# Altium PCB Driver_S_Comm.PcbDoc (part 1 of 4)
Units mm, origin at the board's own origin, x right, y up, seen from the top; angles counter-clockwise.
Board outline 200.2 x 290.2 mm, 2 copper layers (Top Layer, Bottom Layer), stack 1.371 mm thick; 518 components, 197 nets, 1403 pads, 323 vias.
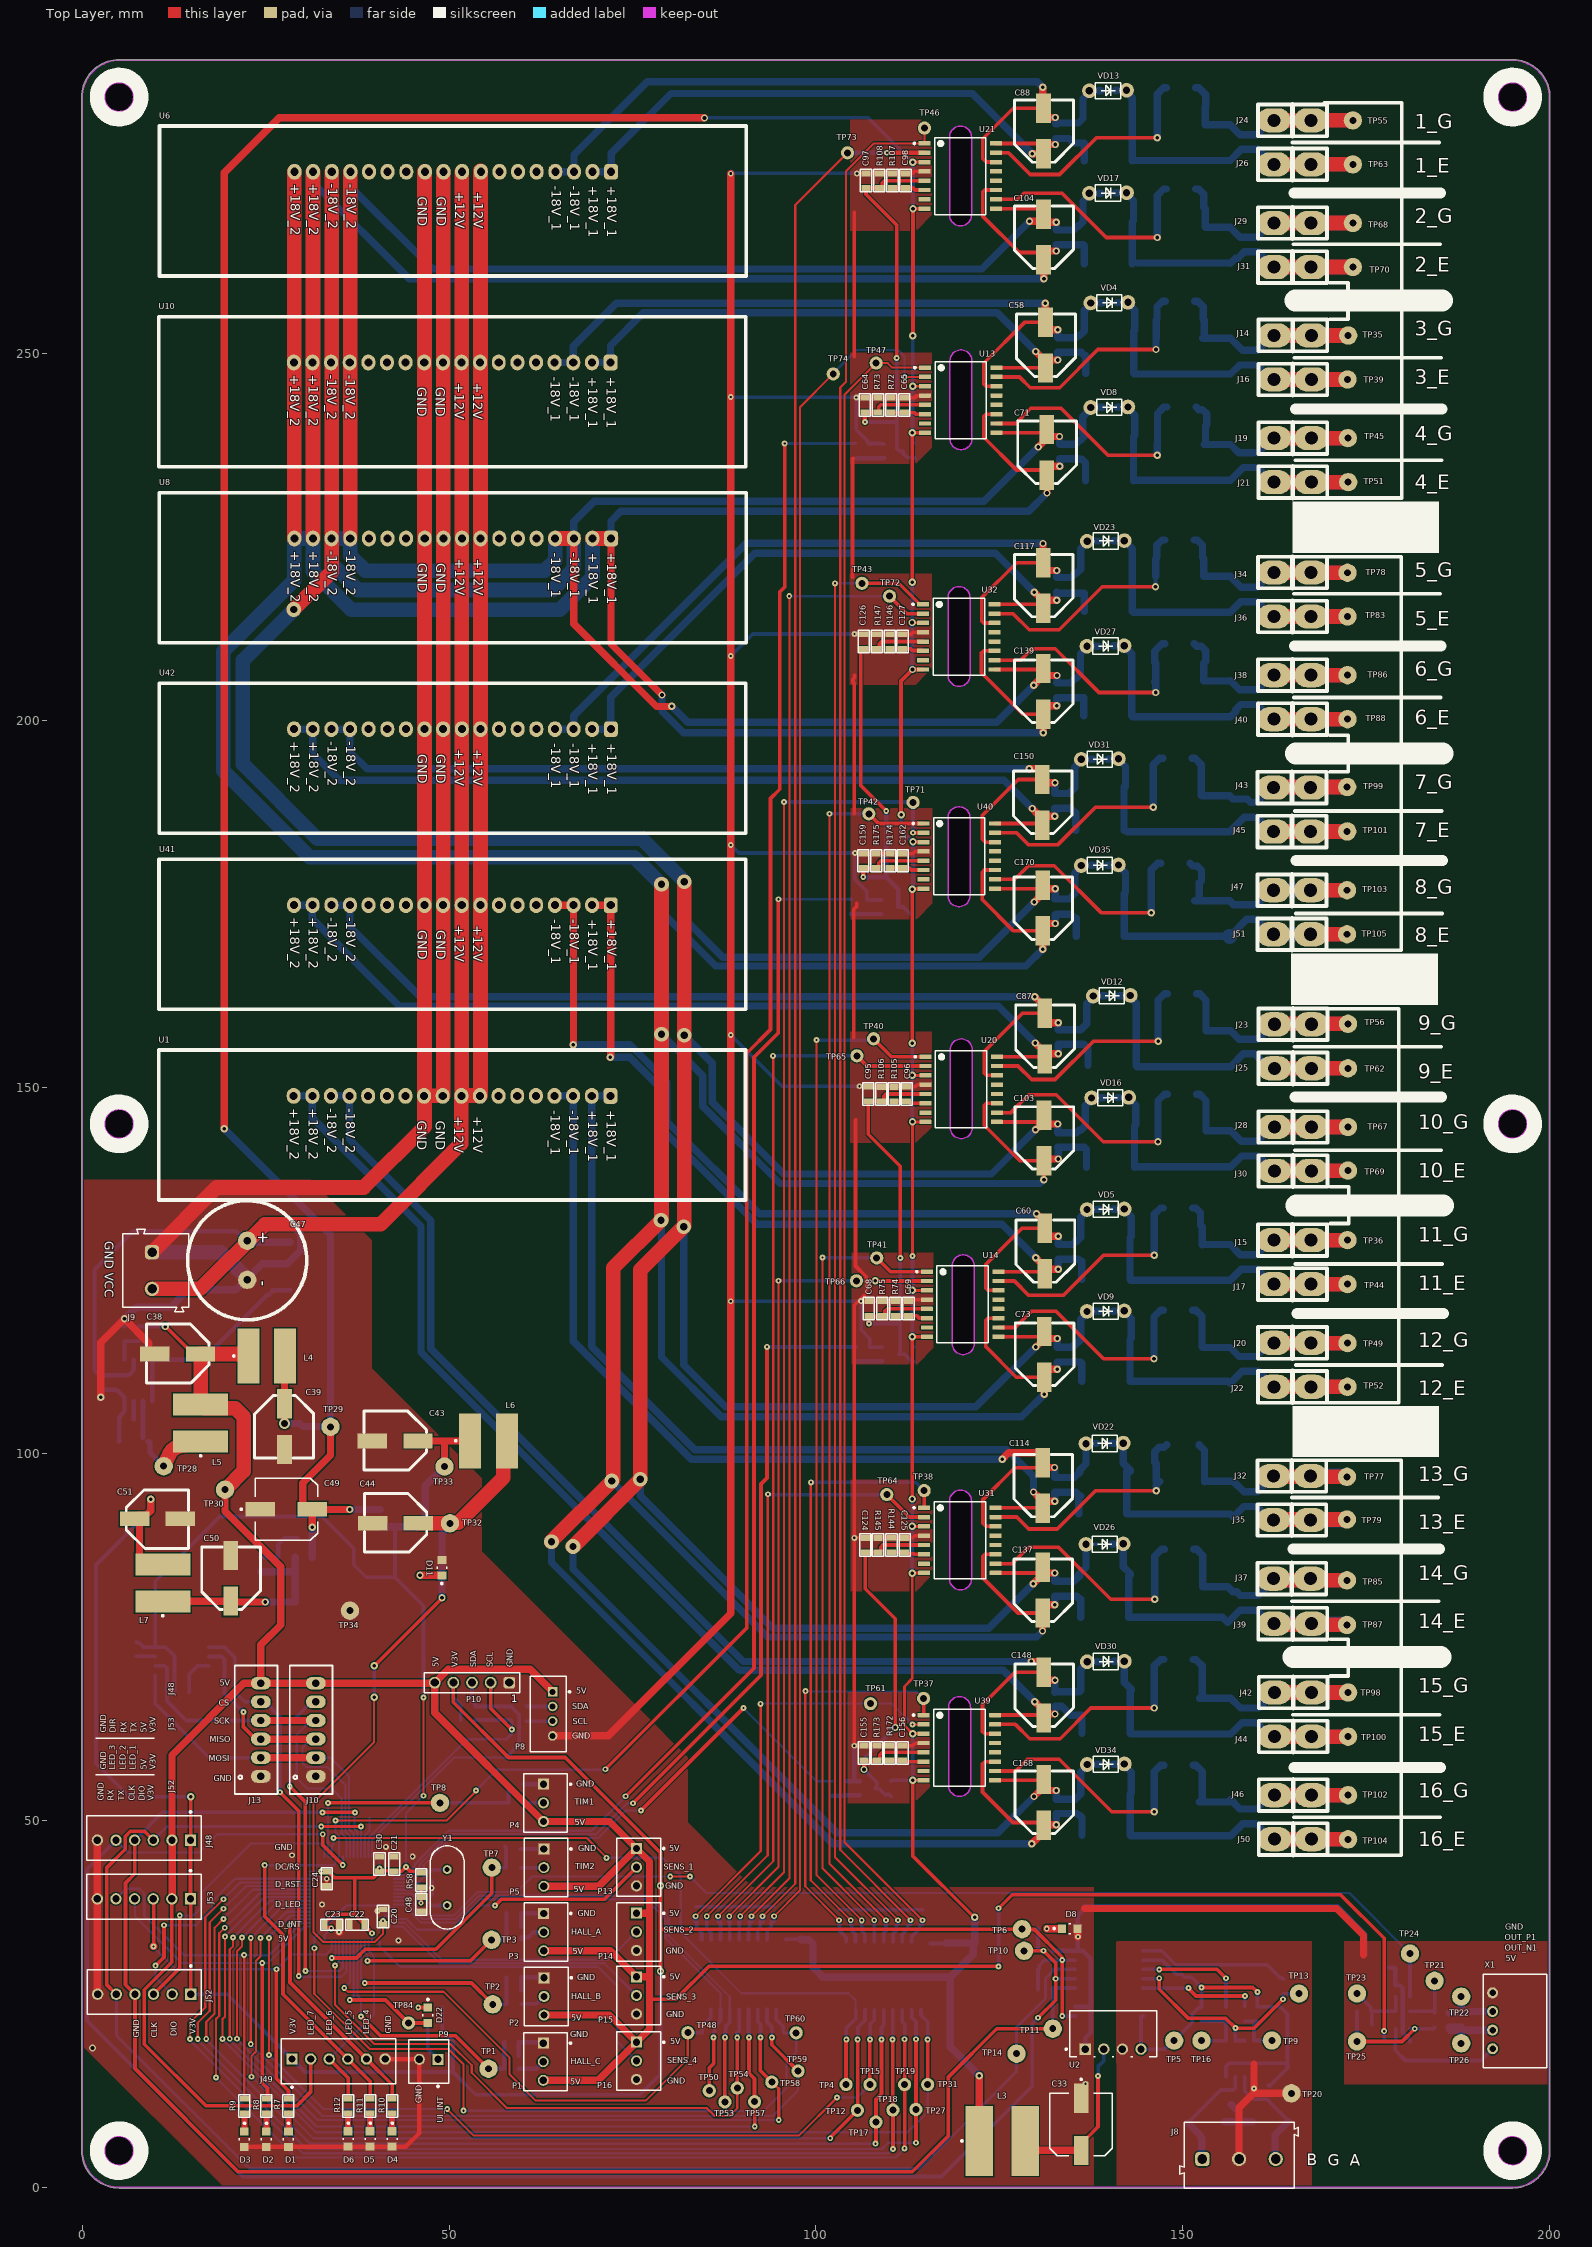
[diagram p0: Top Layer view]
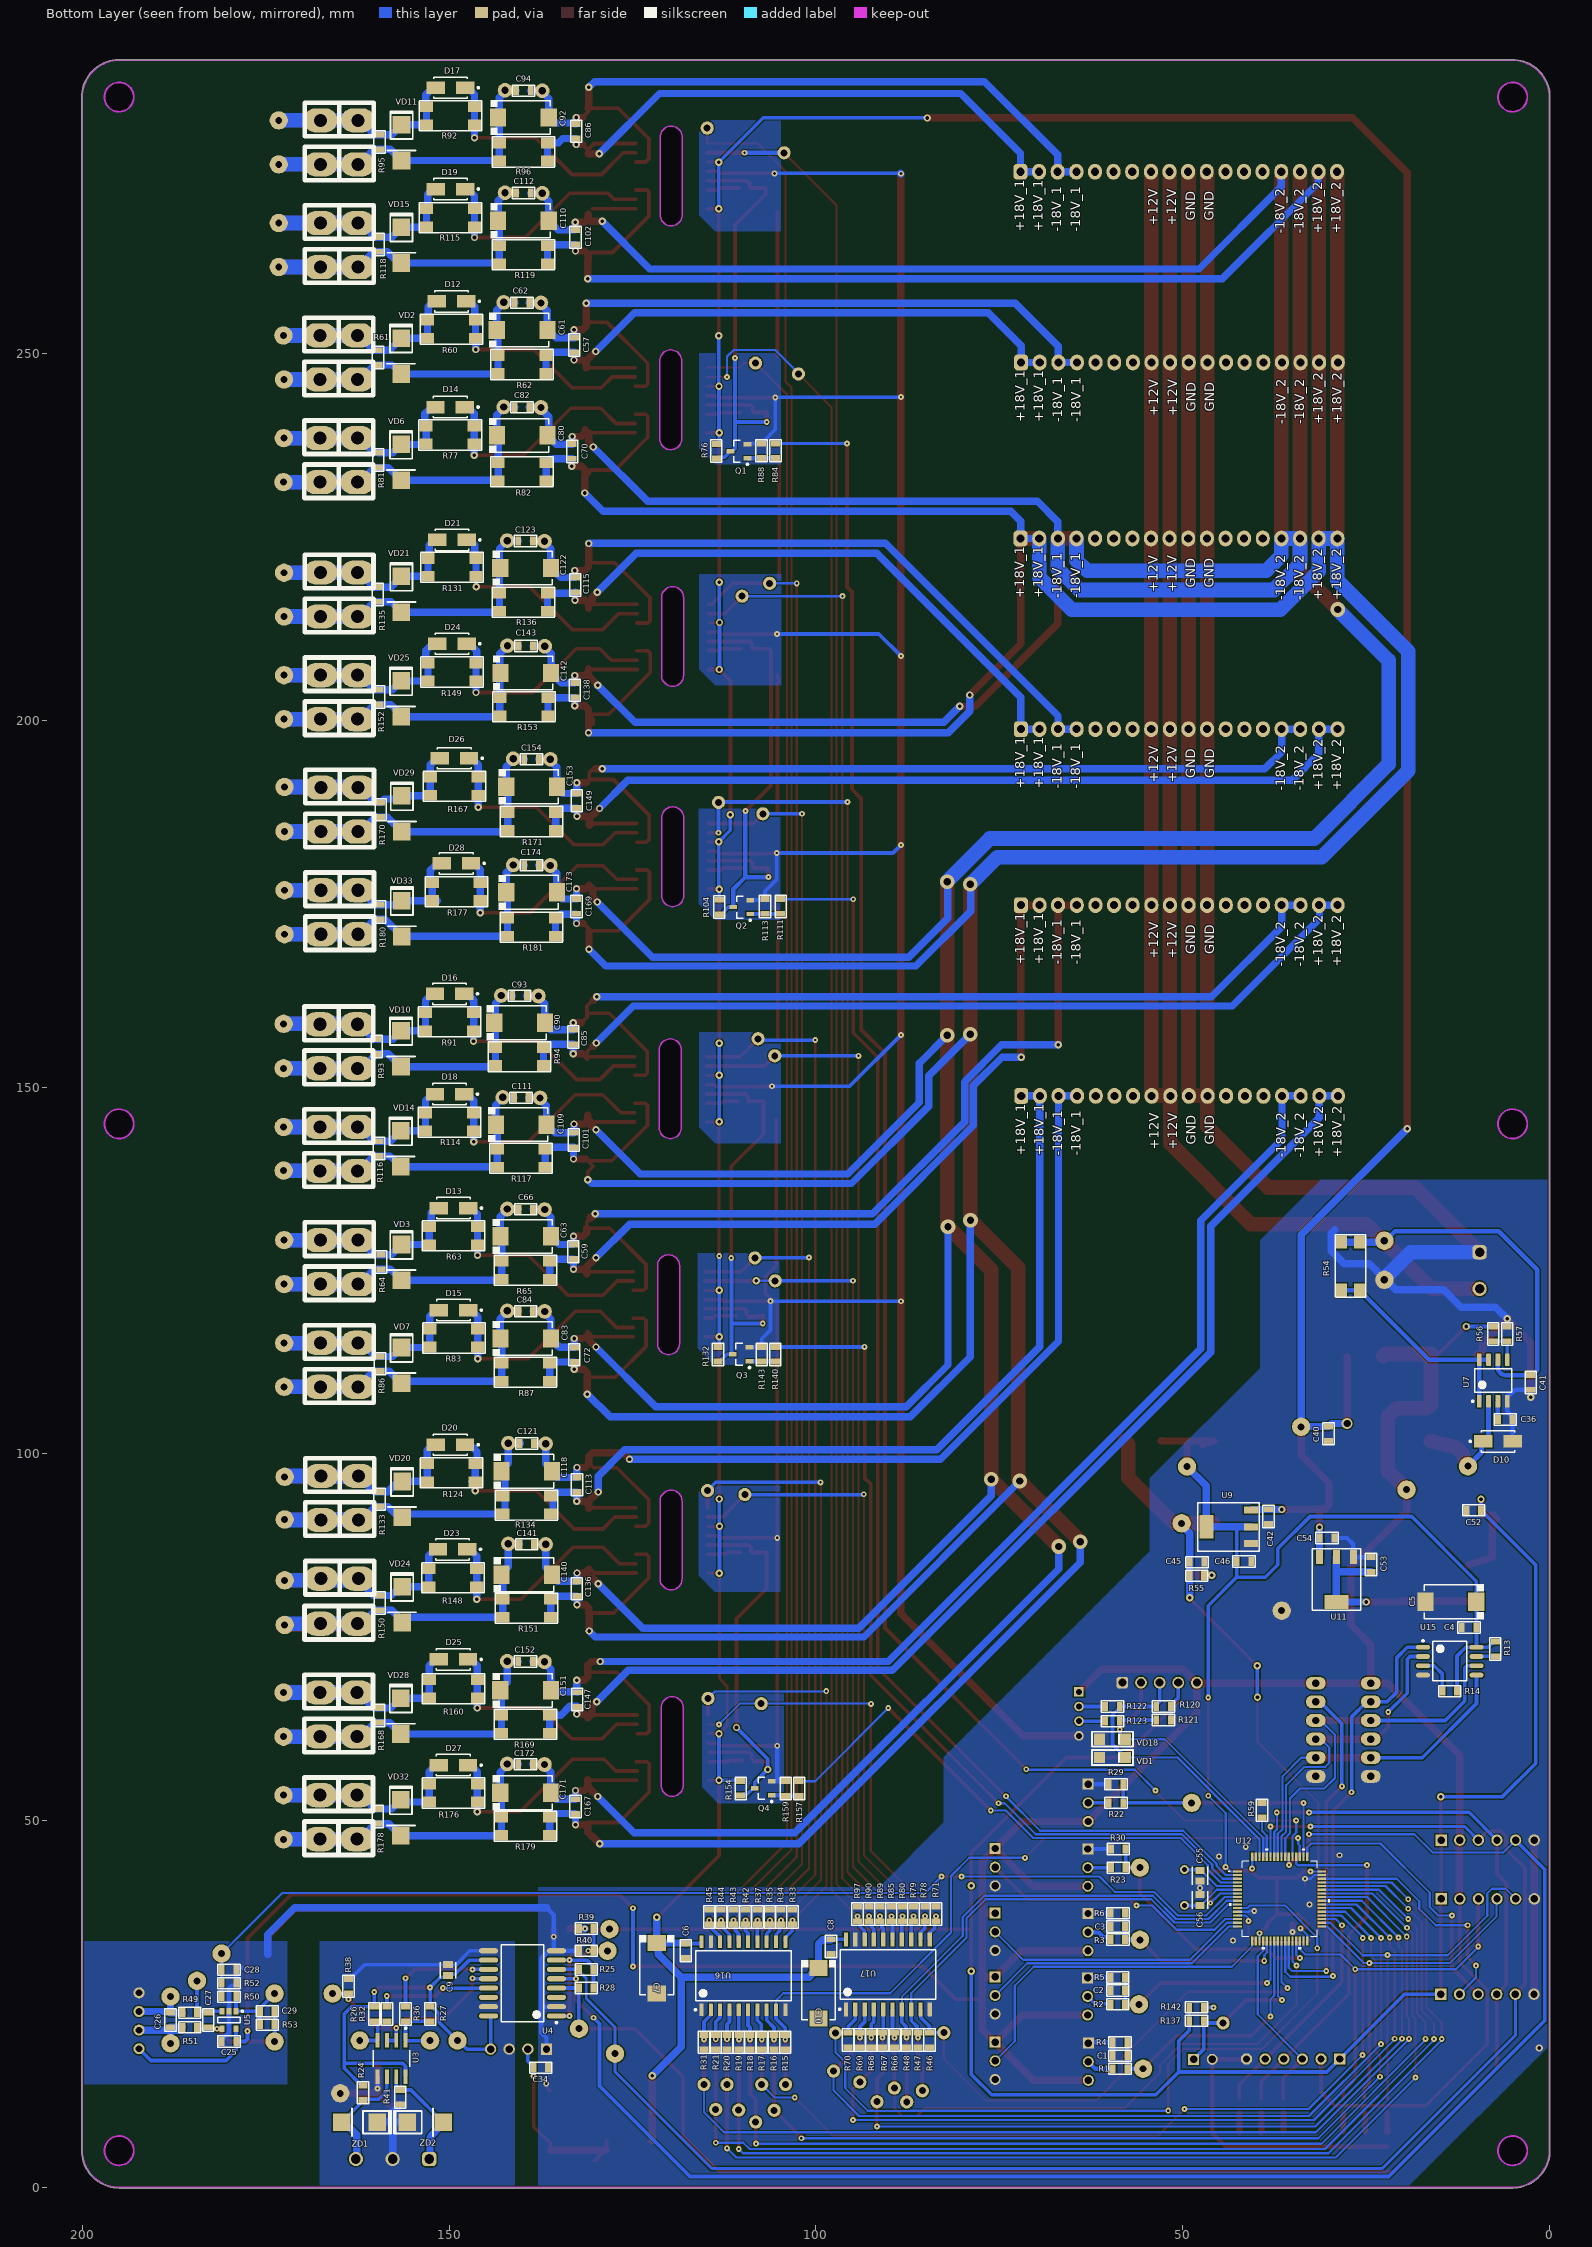
[diagram p1: Bottom Layer view, seen from below]
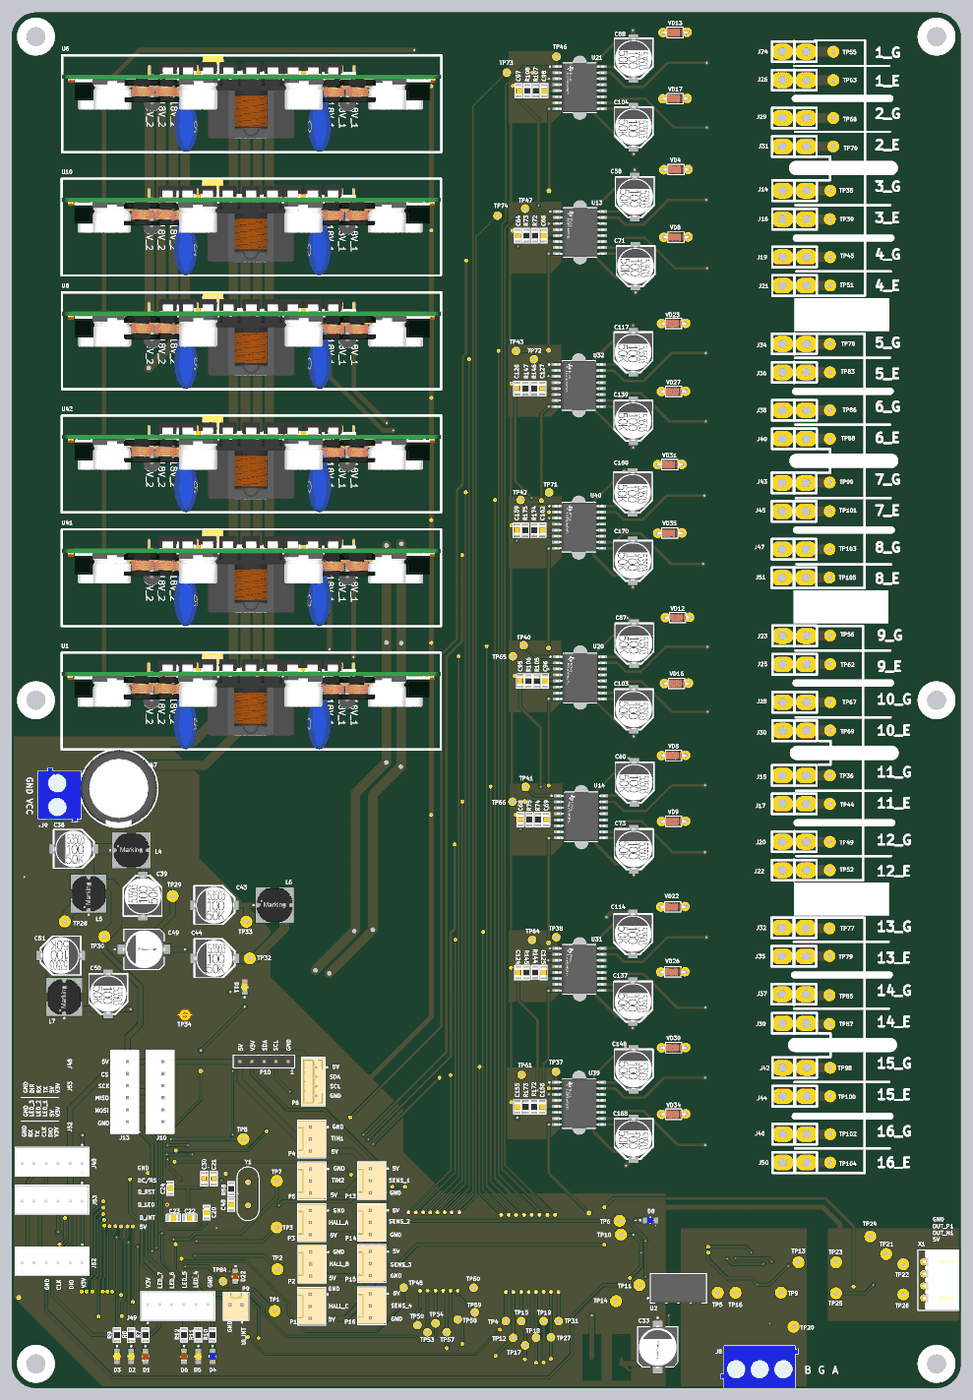
[diagram p5: 3D render of the assembled board from above, using the file's embedded part models]
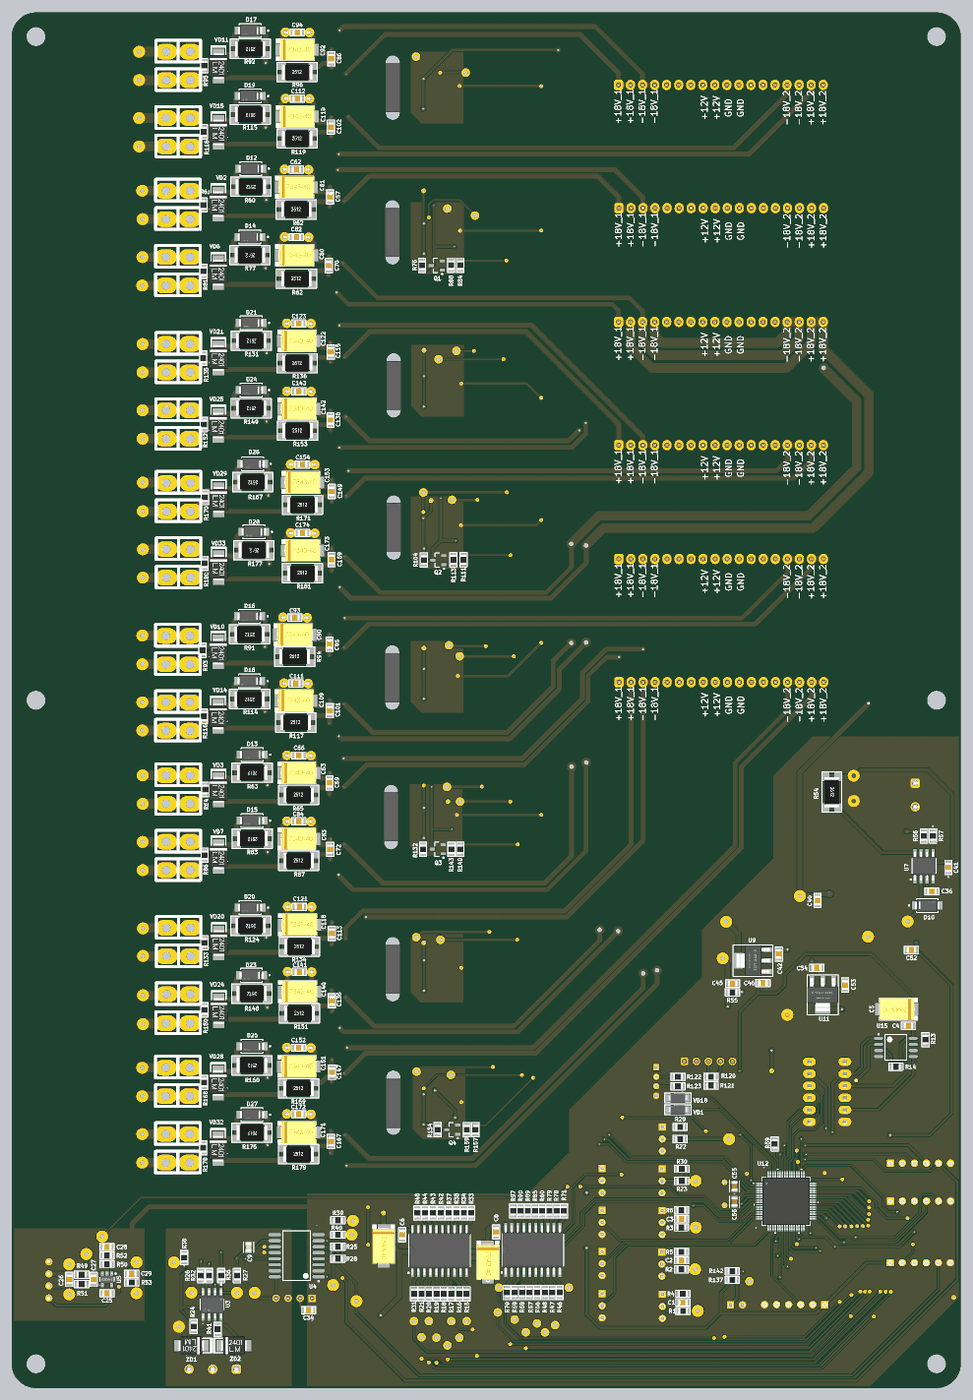
[diagram p6: 3D render of the assembled board from below, using the file's embedded part models]

## Layer stack, top to bottom
Top Solder: solder mask 0.0102, Solder Resist, Dk 3.5
Top Layer: signal copper 0.0356
Dielectric 1: dielectric 1.3, FR-4, Dk 4.8
Bottom Layer: signal copper 0.0356
Bottom Solder: solder mask 0.0102, Solder Resist, Dk 3.5

## Board outline
5,-0.1 cw(c5,5) -0.1,4.994 -0.101,5 -0.1,284.997 -0.1,285 cw(c5,285) 4.997,290.1 5,290.1 195.11,290.1 195.128,290.099 cw(c195,285) 200.1,285.004 200.1,285 200.1,5.003 200.1,5 cw(c195,5) 195,-0.1 194.998,-0.1
cut-out: 5,3 cw(c5,5) 3,5 cw(c5,5) 5,7 cw(c5,5) 7,5 cw(c5,5)
cut-out: 193,5 ccw(c195,5) 195,3 ccw(c195,5) 197,5 ccw(c195,5) 195,7 ccw(c195,5)
cut-out: 5,143 cw(c5,145) 3,145 cw(c5,145) 5,147 cw(c5,145) 7,145 cw(c5,145)
cut-out: 195,143 cw(c195,145) 193,145 cw(c195,145) 195,147 cw(c195,145) 197,145 cw(c195,145)
cut-out: 5,283 cw(c5,285) 3,285 cw(c5,285) 5,287 cw(c5,285) 7,285 cw(c5,285)
cut-out: 195,283 cw(c195,285) 193,285 cw(c195,285) 195,287 cw(c195,285) 197,285 cw(c195,285)
cut-out: 118.23,268.933 118.23,279.532 cw(c119.73,279.532) 121.23,279.532 121.23,268.933 cw(c119.73,268.933)
cut-out: 118.292,238.418 118.292,249.017 cw(c119.792,249.017) 121.292,249.017 121.292,238.418 cw(c119.792,238.418)
cut-out: 118.03,206.144 118.03,216.743 cw(c119.53,216.743) 121.03,216.743 121.03,206.144 cw(c119.53,206.144)
cut-out: 118.023,176.124 ccw(c119.523,176.124) 121.023,176.124 121.023,186.723 ccw(c119.523,186.723) 118.023,186.723
cut-out: 118.585,115.044 ccw(c120.085,115.044) 121.585,115.044 121.585,125.643 ccw(c120.085,125.643) 118.585,125.643
cut-out: 118.334,144.489 ccw(c119.834,144.489) 121.334,144.489 121.334,155.089 ccw(c119.834,155.089) 118.334,155.089
cut-out: 118.234,82.956 ccw(c119.734,82.956) 121.234,82.956 121.234,93.555 ccw(c119.734,93.555) 118.234,93.555
cut-out: 118.094,54.806 118.094,65.405 cw(c119.594,65.405) 121.094,65.405 121.094,54.806 cw(c119.594,54.806)

## Design rules (kind name [scope] priority, off if disabled: settings)
Clearance HV [InNetClass('All Nets') vs InNetClass('HV')] p1: gap=0.2 ignorepadtopadclearanceinfootprint=TRUE except(0: Text-Text Text-Hole; 0.4: THPad-THPad THPad-Via THPad-Fill THPad-Poly THPad-Region THPad-Text THPad-Hole Via-Via Via-Fill Via-Poly Via-Region Via-Text Via-Hole; 0.5: SMDPad-SMDPad SMDPad-THPad SMDPad-Via SMDPad-Fill SMDPad-Poly SMDPad-Region SMDPad-Text SMDPad-Hole Fill-Fill Fill-Poly Fill-Region Fill-Text Fill-Hole Poly-Poly Poly-Region Poly-Text Poly-Hole Region-Region Region-Text Region-Hole)
Clearance Clearance_1 [All] p2: gap=0.18 ignorepadtopadclearanceinfootprint=TRUE
Clearance GND [InNet('GND')] p3: gap=0.4 ignorepadtopadclearanceinfootprint=TRUE except(0.3: Text-Text Text-Hole)
ComponentClearance [All] p1: gap=-2.254 collisioncheckmode=3 verticalgap=0.254 showdistances=FALSE
DiffPairsRouting [All] p1: maxlimit=0.254 minlimit=0.1 mostfreqgap=0.254 toplayer_minwidth=0.3 toplayer_maxwidth=2 toplayer_prefwidth=0.3 bottomlayer_minwidth=0.3 bottomlayer_maxwidth=2 bottomlayer_prefwidth=0.3 maxuncoupledlength=12.7
Height [All] p1: minheight=0 maxheight=100 prefheight=12.7
HoleSize [All] p1: absolutevalues=TRUE maxlimit=5 minlimit=0.025 maxpercent=80.000 minpercent=20.000
HoleToHoleClearance [All] p1: gap=0 allowstackedmicrovias=TRUE
LayerPairs [All] p1 off: enforce=TRUE
MinimumSolderMaskSliver [All] p1: minsoldermaskwidth=0.01
PlaneClearance [All] p1: clearance=0.4
PlaneConnect [All] p1: planeconnectstyle=Direct reliefexpansion=0.508 reliefentries=4 reliefconductorwidth=0.254 reliefairgap=0.254
PolygonConnect [All] p1: connectstyle=Direct reliefconductorwidth=0.254 reliefentries=4 polygonreliefangle="90 Angle" airgapwidth=0.254
RoutingCorners [All] p1: cornerstyle=45-Degree minsetback=0.2 maxsetback=0.2
RoutingVias [All] p1: holewidth=0.4 width=0.8 viastyle="Through Hole" minholewidth=0.254 minwidth=0.5 maxholewidth=0.75 maxwidth=1.5
ShortCircuit [All] p1: allowed=TRUE
SilkToSilkClearance [All] p1 off: silktosilkclearance=0.01
SilkToSolderMaskClearance [All] p1: minsilkscreentomaskgap=0 clearancetoexposedcopper=FALSE
SolderMaskExpansion [All] p1: expansion=0 istentingtop=FALSE
UnRoutedNet [All] p1: checkbadconnections=TRUE
Width [All] p1: maxlimit=10 minlimit=0.254 preferedwidth=2
16 further rules are at their usual default settings.

## Components (designator, comment, footprint, x,y, rotation, side; value= is the part's Value field where it differs from the comment)
C1 "330pF" CAP-0805 58.522,17.957 r180 bottom
C2 "330pF" CAP-0805 58.826,26.832 r180 bottom
C3 "330pF" CAP-0805 58.823,35.552 r180 bottom
C4 "100n" CAP-0805 10.925,76.33 r180 bottom
C5 "CAP-POLAR" CAP-TAN-D 13.4,79.83 r0 bottom
C6 "100n" CAP-0805 117.725,32.25 r90 bottom
C7 "CAP-POLAR" CAP-TAN-D 121.675,29.875 r270 bottom
C8 "100n" CAP-0805 97.927,32.825 r90 bottom
C9 "C0805C224K5RACTU" FP-C0805C-DN-MFG 150.147,29.604 r90 bottom value="0.22 μF"
C10 "CAP-POLAR" CAP-TAN-D 99.625,26.475 r270 bottom
C20 "CAP-NON-POLAR" CAP-0805 40.991,36.924 r270 top
C21 "CAP-NON-POLAR" CAP-0805 42.505,44.073 r90 top
C22 "CAP-NON-POLAR" CAP-0805 37.453,35.797 r180 top
C23 "CAP-NON-POLAR" CAP-0805 34.007,35.798 r0 top
C24 "CAP-NON-POLAR" CAP-0805 33.316,42.076 r270 top
C25 "0.1uF" CAP-0805 180.013,19.891 r180 bottom locked
C26 "0.1uF" CAP-0805 187.993,22.818 r90 bottom locked
C27 "0.1uF" CAP-0805 182.836,22.818 r90 bottom locked
C28 "1000pF" CAP-0805 180.019,29.657 r0 bottom locked
C29 "0.1uF" CAP-0805 174.793,23.998 r0 bottom locked
C30 "CAP-NON-POLAR" CAP-0805 40.507,44.073 r90 top
C33 "1000uF_10V" CAP_SMD_Size_G 136.175,8.575 r270 top
C34 "CAP-NON-POLAR" CAP-0805 137.498,16.325 r0 bottom
C36 "470pF" CAP-0805 6.005,104.691 r180 bottom
C38 "330uF 16V" CAP_SMD_Size_E 12.925,113.629 r0 top
C39 "1000uF 6.3V" CAP_SMD_Size_E 27.55,103.647 r90 top locked
C40 "0.1uF" CAP-0805 30.1,102.739 r90 bottom
C41 "0.47uF" CAP-0805 2.52,109.749 r270 bottom
C42 "0.1uF" CAP-0805 38.27,91.459 r90 bottom
C43 "1000uF_6.3V" CAP_SMD_Size_E 42.59,101.759 r0 top
C44 "1000uF_6.3V" CAP_SMD_Size_E 42.63,90.534 r0 top
C45 "0.1uF" CAP-0805 48.035,85.247 r0 bottom
C46 "0.1uF" CAP-0805 41.63,85.339 r0 bottom
C47 "25V_2200uF" "HITANO 3300uF 25V  16x25" 22.475,126.4 r270 top
C48 "0.1uF" CAP-0805 46.195,38.594 r90 top
C49 "1000uF_10V" CAP_SMD_Size_G 27.81,92.459 r0 top locked
C50 "1000uF_6.3V" CAP_SMD_Size_E 20.21,83.109 r270 top locked
C51 "1000uF_6.3V" CAP_SMD_Size_E 10.3,91.159 r180 top
C52 "0.1uF" CAP-0805 10.3,92.302 r180 bottom
C53 "0.1uF" CAP-0805 24.31,84.919 r270 bottom
C54 "0.1uF" CAP-0805 30.29,88.539 r0 bottom
C55 "16pF" FP-GRM21B-0_1-IPC_C 47.627,42.476 r270 bottom
C56 "16pF" FP-GRM21B-0_1-IPC_C 47.627,39.186 r90 bottom
C57 "CAP-NON-POLAR" CAP-0805 132.942,251.188 r270 bottom
C58 "100uF_50V" CAP_SMD_Size_E 131.322,251.228 r270 top
C59 "CAP-NON-POLAR" CAP-0805 133.056,127.559 r270 bottom
C60 "100uF_50V" CAP_SMD_Size_E 131.236,127.719 r270 top
C61 "CAP-POLAR" CAP-TAN-D 140.056,253.233 r180 bottom
C62 "CAP-NON-POLAR" CAP-0805 140.056,256.956 r0 bottom
C63 "CAP-POLAR" CAP-TAN-D 139.556,129.659 r180 bottom
C64 "CAP-NON-POLAR" CAP-0805 106.683,243.012 r270 top
C65 "CAP-NON-POLAR" CAP-0805 112.072,243.012 r270 top
C66 "CAP-NON-POLAR" CAP-0805 139.556,133.339 r0 bottom
C68 "CAP-NON-POLAR" CAP-0805 107.238,119.824 r270 top
C69 "CAP-NON-POLAR" CAP-0805 112.645,119.824 r270 top
C70 "CAP-NON-POLAR" CAP-0805 133.222,236.678 r270 bottom
C71 "100uF_50V" CAP_SMD_Size_E 131.472,236.628 r270 top
C72 "CAP-NON-POLAR" CAP-0805 132.926,113.529 r270 bottom
C73 "100uF_50V" CAP_SMD_Size_E 131.126,113.634 r270 top
C80 "CAP-POLAR" CAP-TAN-D 140.042,238.868 r180 bottom
C82 "CAP-NON-POLAR" CAP-0805 140.056,242.698 r0 bottom
C83 "CAP-POLAR" CAP-TAN-D 139.556,115.734 r180 bottom
C84 "CAP-NON-POLAR" CAP-0805 139.556,119.449 r0 bottom
C85 "CAP-NON-POLAR" CAP-0805 133.064,156.839 r270 bottom
C86 "CAP-NON-POLAR" CAP-0805 132.68,280.343 r270 bottom
C87 "100uF_50V" CAP_SMD_Size_E 131.194,157.019 r270 top
C88 "100uF_50V" CAP_SMD_Size_E 131.05,280.435 r270 top
C90 "CAP-POLAR" CAP-TAN-D 140.394,158.799 r180 bottom
C92 "CAP-POLAR" CAP-TAN-D 139.87,282.223 r180 bottom
C93 "CAP-NON-POLAR" CAP-0805 140.394,162.459 r0 bottom
C94 "CAP-NON-POLAR" CAP-0805 139.87,285.883 r0 bottom
C95 "CAP-NON-POLAR" CAP-0805 107.144,149.079 r270 top
C96 "CAP-NON-POLAR" CAP-0805 112.404,149.079 r270 top
C97 "CAP-NON-POLAR" CAP-0805 106.847,273.603 r270 top
C98 "CAP-NON-POLAR" CAP-0805 112.22,273.603 r270 top
C101 "CAP-NON-POLAR" CAP-0805 133.004,142.789 r270 bottom
C102 "CAP-NON-POLAR" CAP-0805 132.77,265.883 r270 bottom
C103 "100uF_50V" CAP_SMD_Size_E 131.104,143.139 r270 top
C104 "100uF_50V" CAP_SMD_Size_E 131.05,265.973 r270 top
C109 "CAP-POLAR" CAP-TAN-D 140.174,144.895 r180 bottom
C110 "CAP-POLAR" CAP-TAN-D 139.87,268.143 r180 bottom
C111 "CAP-NON-POLAR" CAP-0805 140.174,148.559 r0 bottom
C112 "CAP-NON-POLAR" CAP-0805 139.87,271.913 r0 bottom
C113 "CAP-NON-POLAR" CAP-0805 132.574,95.793 r270 bottom
C114 "100uF_50V" CAP_SMD_Size_E 130.954,95.745 r270 top
C115 "CAP-NON-POLAR" CAP-0805 132.81,218.484 r270 bottom
C117 "100uF_50V" CAP_SMD_Size_E 131,218.464 r270 top
C118 "CAP-POLAR" CAP-TAN-D 139.414,97.635 r180 bottom
C121 "CAP-NON-POLAR" CAP-0805 139.414,101.425 r0 bottom
C122 "CAP-POLAR" CAP-TAN-D 139.57,220.784 r180 bottom
C123 "CAP-NON-POLAR" CAP-0805 139.57,224.474 r0 bottom
C124 "CAP-NON-POLAR" CAP-0805 106.734,87.555 r270 top
C125 "CAP-NON-POLAR" CAP-0805 112.104,87.555 r270 top
C126 "CAP-NON-POLAR" CAP-0805 106.54,210.758 r270 top
C127 "2.2nF" CAP-0805 111.82,210.759 r270 top
C136 "CAP-NON-POLAR" CAP-0805 132.584,81.605 r270 bottom
C137 "100uF_50V" CAP_SMD_Size_E 130.954,81.482 r270 top
C138 "CAP-NON-POLAR" CAP-0805 132.85,204.114 r270 bottom
C139 "100uF_50V" CAP_SMD_Size_E 131,204.034 r270 top
C140 "CAP-POLAR" CAP-TAN-D 139.414,83.535 r180 bottom
C141 "CAP-NON-POLAR" CAP-0805 139.414,87.685 r0 bottom
C142 "CAP-POLAR" CAP-TAN-D 139.54,206.483 r180 bottom
C143 "CAP-NON-POLAR" CAP-0805 139.54,210.153 r0 bottom
C147 "CAP-NON-POLAR" CAP-0805 132.538,66.509 r270 bottom
C148 "100uF_50V" CAP_SMD_Size_E 131.074,67.175 r270 top
C149 "CAP-NON-POLAR" CAP-0805 132.593,189.054 r270 bottom
C150 "100uF_50V" CAP_SMD_Size_E 130.873,188.894 r270 top
C151 "CAP-POLAR" CAP-TAN-D 139.574,67.759 r180 bottom
C152 "CAP-NON-POLAR" CAP-0805 139.574,71.689 r0 bottom
C153 "CAP-POLAR" CAP-TAN-D 138.763,190.964 r180 bottom
C154 "CAP-NON-POLAR" CAP-0805 138.763,194.724 r0 bottom
C155 "CAP-NON-POLAR" CAP-0805 106.564,59.205 r270 top
C156 "CAP-NON-POLAR" CAP-0805 111.824,59.205 r270 top
C159 "CAP-NON-POLAR" CAP-0805 106.463,180.879 r270 top
C162 "CAP-NON-POLAR" CAP-0805 111.843,180.879 r270 top
C167 "CAP-NON-POLAR" CAP-0805 132.774,51.915 r270 bottom
C168 "100uF_50V" CAP_SMD_Size_E 131.074,52.555 r270 top
C169 "CAP-NON-POLAR" CAP-0805 132.623,174.654 r270 bottom